# Altium PCB MB1261.PcbDoc (part 4 of 6)
Units mil, origin at the board's own origin, x right, y up, seen from the top; angles counter-clockwise.
Board outline 5119.1 x 2638.79 mil, 6 copper layers (TOP, L2_GND, L3_SIG, L4_VCC, L5_GND, BOTTOM), stack 61 mil thick; 336 components, 316 nets, 1358 pads, 871 vias.
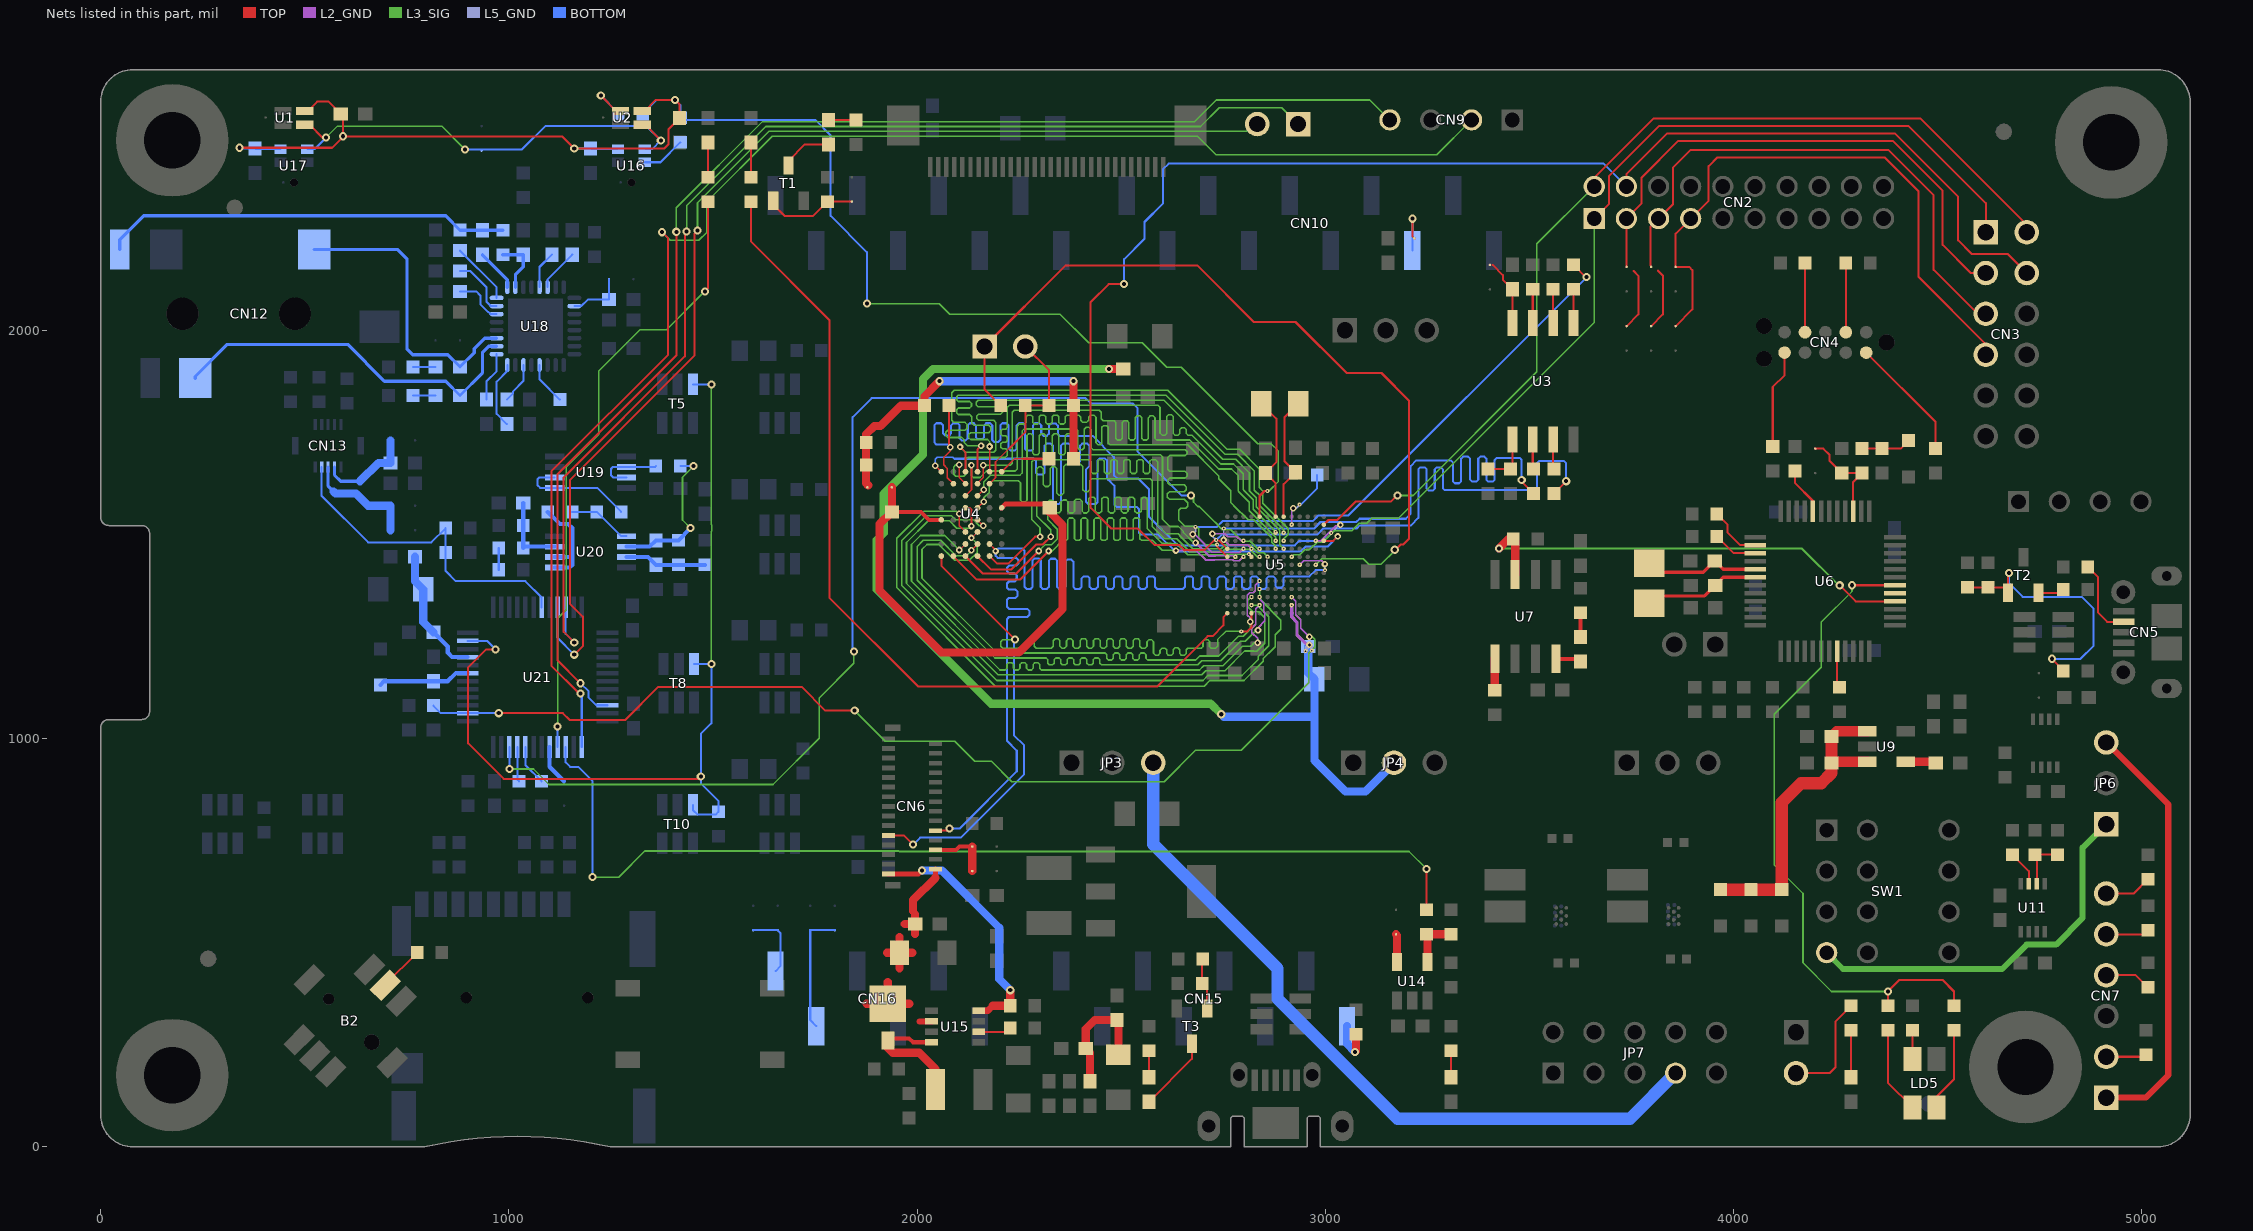
[diagram p8: the nets of this part, all layers, seen from the top]

## Via types
v1: diameter 20, hole 10, TOP to BOTTOM, tented both sides, 317 vias
v2: diameter 24, hole 12, TOP to BOTTOM, tented both sides, 289 vias
v3: diameter 10, hole 4, TOP to L2_GND, tented both sides, 76 vias
v4: diameter 10, hole 4, TOP to L3_SIG, tented both sides, 63 vias
v5: diameter 16, hole 8, L2_GND to L5_GND, tented both sides, 52 vias
v6: diameter 16, hole 8, TOP to BOTTOM, tented both sides, 43 vias
v7: diameter 10, hole 4, L5_GND to BOTTOM, tented both sides, 31 vias

## Nets (pads, with @x,y where several pads share a name; then routed paths per layer and width w, separated by ;. In a path a pad name is that pad's centre, name@x,y a point inside that pad or via, vN(x,y) a via of type N, cw(c..) or ccw(c..) an arc to the next point about the centre after c; other vN are vias at no path point) (continued)
LCD_WE: CN6.20 U4.G5 U5.D7 | length 3052.1
  TOP w4: U4.G5@2177.39,1476.18 2191.55,1462.02 2191.55,1459.25 v6(2192.05,1458.75)
  TOP w5: CN6.20@2044.44,774.27 2074.5,774.27 v1(2079.5,779.27)
  L2_GND w3.5: v3(2937.16,1425) 2947.1,1434.94 2991.06,1434.94 v5(2999,1427)
  L5_GND w3.5: v7(2999,1412) v5(2999,1427)
  BOTTOM w5: v1(2079.5,779.27) 2104.27,779.27 2244,919 2244,970 2220,994 2220,1292.32 2225,1297.32 2270,1297.32 2275,1302.32 2275,1312.32 2270,1317.32 2225,1317.32 2220,1322.32 2220,1339.32 2225,1344.32 2241,1344.32 2246,1349.32 2246,1359.32 2241,1364.32 2225,1364.32 2220,1369.32 2220,1379.32 2225,1384.32 2239,1384.32 2244,1389.32 2244,1399.32 2239,1404.32 2225,1404.32 2220,1409.32 2220,1418 2225,1423 2243,1423 2248,1428 2248,1437 2243,1442 2197.05,1442 2192.05,1447 v6(2192.05,1458.75) 2198.3,1465 2258,1465 2263,1460 2263,1371 2268,1366 2277.75,1366 2282.75,1371 2282.75,1436 2287.75,1441 2297.75,1441 2302.75,1436 2302.75,1371 2307.75,1366 2317.75,1366 2322.75,1371 2322.75,1435 2327.75,1440 2337.75,1440 2342.75,1435 2342.75,1371 2347.75,1366 2357.75,1366 2362.75,1371 2362.75,1433 2367.75,1438 2377.75,1438 2382.75,1433 2382.75,1371 2387.75,1366 2397.75,1366 2402.75,1371 2402.75,1392 2407.75,1397 2417.75,1397 2422.75,1392 2422.75,1371 2427.75,1366 2437.75,1366 2442.75,1371 2442.75,1392 2447.75,1397 2457.75,1397 2462.75,1392 2462.75,1371 2467.75,1366 2477.75,1366 2482.75,1371 2482.75,1392 2487.75,1397 2497.75,1397 2502.75,1392 2502.75,1371 2507.75,1366 2517.75,1366 2522.75,1371 2522.75,1392 2527.75,1397 2537.75,1397 2542.75,1392 2542.75,1371 2547.75,1366 2557.75,1366 2562.75,1371 2562.75,1392 2567.75,1397 2577.75,1397 2582.75,1392 2582.75,1371 2587.75,1366 2651.06,1366 2656.06,1371 2656.06,1392 2661.06,1397 2671.06,1397 2676.06,1392 2676.06,1371 2681.06,1366 2691.06,1366 2696.06,1371 2696.06,1392 2701.06,1397 2711.06,1397 2716.06,1392 2716.06,1371 2721.06,1366 2731.06,1366 2736.06,1371 2736.06,1392 2741.06,1397 2751.06,1397 2756.06,1392 2756.06,1371 2761.06,1366 2771.06,1366 2776.06,1371 2776.06,1392 2781.06,1397 2791.06,1397 2796.06,1392 2796.06,1371 2801.06,1366 2811.06,1366 2816.06,1371 2816.06,1392 2821.06,1397 2831.06,1397 2836.06,1392 2836.06,1371 2841.06,1366 2851.06,1366 2856.06,1371 2856.06,1392 2861.06,1397 2872.34,1397 2877.34,1392 2877.34,1374 2882.34,1369 2892.34,1369 2897.34,1374 2897.34,1392 2902.34,1397 2961,1397 2976,1412 v7(2999,1412)
LED1: R2.1 U5.N13 | length 2201.1
  TOP w5: R2.1@1593.1,2315 1593.1,2216.9 1785,2025 1785,1345 2003,1127 2588.22,1127 2711.72,1250.5 2723.72,1250.5 2750,1276.78 2750,1296.9 U5.N13@2759.99,1306.89
LED_STLINK: R69.1 R71.1 U6.30 | length 1630.4
  TOP w5: v1(4290,1375.16) U6.30@4395.36,1375.16 ; R69.1@4378.1,345 v1(4378.1,380) 4406.1,408 4512,408 4540,380 R71.1@4540,345
  L3_SIG w4: v1(4290,1375.16) 4290,1360 4215,1285 4215,1174 4100,1059 4100,690 4170,620 4170,450 4240,380 v1(4378.1,380)
LEDA: C47.1 C48.1 CN6.28 U15.6 Z1.2 | length 523.8
  TOP w12: 2044.44,658.44 CN6.28@2044.44,679.79
  TOP w15: 2006.3,306.8 U15.6@2035.03,306.8
  TOP w20: 1875.58,350 Z1.2@1928.1,350 ; 1925.98,475 C48.1@1957,475 ; 1928.1,403.02 Z1.2@1928.1,350 ; 1957,436.98 C48.1@1957,475 ; 1957,513.02 C48.1@1957,475 ; 1969.48,545 C47.1@1995,545 ; 1980.62,350 Z1.2@1928.1,350 ; 1988.02,475 C48.1@1957,475 ; 1990,577 1990,604 2044.44,658.44 ; 1995,520.98 C47.1@1995,545 ; 1995,569.02 C47.1@1995,545
LEDK: CN6.29 R67.1 U15.4 | length 616.4
  TOP w12: CN6.29@1930.26,667.98 2003.98,667.98 v1(2012,676)
  TOP w16: U15.4@2151.17,332.39 2172.39,332.39 2185,345
  TOP w20: 2185,345 R67.1@2228.1,345 v1(2228.1,383.1)
  BOTTOM w20: v1(2012,676) 2061,676 2201,536 2201,410.2 v1(2228.1,383.1)
MCO: U6.29
MFX_AGPIO1: R116.1 T5.3 T8.3 T10.3 U21.11 | length 2204.1
  TOP w5: v1(967,1218) 944,1218 900,1174 900,988 987,901 1464,901 v1(1470,907)
  L3_SIG w4: v1(1496,1182.24) 1496,1507.45 1497,1508.45 1497,1522.55 1496,1523.55 v1(1496,1867.24)
  BOTTOM w5: U21.11@898.74,1238.58 946.42,1238.58 v1(967,1218) ; T10.3@1450.5,837.24 1450.5,824.5 1462,813 1506.1,813 R116.1@1513.1,820 1513.1,846.9 1470,890 v1(1470,907) 1470,1011 1496,1037 v1(1496,1182.24) T8.3@1453.6,1182.24 ; T5.3@1450.5,1867.24 v1(1496,1867.24)
MFX_IRQ_OUT: U5.J5 U21.46 | length 2936
  L3_SIG w3.5: 2730,1529 2748,1511 2768,1511 2796,1483 2815.97,1483 2832.16,1466.81 ; 2832.19,1466.81 2834.63,1464.37 v4(2838.73,1464.37)
  L3_SIG w4: v1(1001.1,925) 1060,925 1098,887 1647,887 1760,1000 1760,1099 1845,1184 v1(1845,1213) ; v1(2670.71,1595.11) 2672,1595.11 2677,1590.11 2677,1578.95 2686.95,1569 ; 2687,1569 2688,1568 2691,1568 2730,1529
  BOTTOM w5: v1(1001.1,925) U21.46@1001.1,978.74 ; v1(1845,1213) 1841.88,1216.12 1841.88,1786.88 1888.34,1833.34 2412.29,1833.34 2425,1820.63 2527.63,1820.63 2540.01,1808.25 2540.01,1702.43 2647.33,1595.11 v1(2670.71,1595.11)
MFX_SWCLK: CN9.2 U21.37 | length 3613.2
  TOP w5: v1(1175,1110) 1172,1110 1104,1178 1104,1654 1390,1940 1390,2225 v1(1375,2240)
  L3_SIG w4: v1(1375,2240) 1395,2220 1465,2220 1485,2240 1485,2315 1645,2475 2687,2475 2732,2430 3273.1,2430 CN9.2@3358.1,2515
  BOTTOM w5: v1(1175,1110) 1178.27,1106.73 U21.37@1178.27,978.74
MFX_SWDIO: CN9.4 U21.34 | length 3283.9
  TOP w5: v1(1175,1135) 1119,1191 1119,1647 1410,1938 v1(1410,2241)
  L3_SIG w4: v1(1410,2241) 1410,2300 1621,2511 2680,2511 2733,2564 3109.1,2564 CN9.4@3158.1,2515
  BOTTOM w5: v1(1175,1135) 1195,1115 1195,1100 1213.9,1081.1 U21.34@1241.26,1081.1
MFX_WAKEUP: R109.2 U5.E11 U21.2 | length 2632.4
  TOP w5: v1(975,1061.73) 1132.05,1061.73 1148.78,1045 1285,1045 1366,1126 1717,1126 1775,1068 v1(1847,1068)
  L2_GND w3.5: v3(2917.47,1346.26) 2927.22,1336.51 2927.22,1302.78 2940,1290 2940,1270 v5(2961,1249)
  L3_SIG w3.5: 2959.5,1208.5 2973.75,1222.75 2973.75,1242.94 2967.69,1249 v5(2961,1249)
  L3_SIG w4: v1(1847,1068) 1922,993 2092,993 2141,944 2182,944 2232,894 2605,894 2682,971 2794,971 2959.5,1136.5 2959.5,1208.5
  BOTTOM w5: R109.2@815,1080 833.27,1061.73 U21.2@898.43,1061.73 ; U21.2@898.74,1061.42 U21.2@898.43,1061.73 ; v1(975,1061.73) U21.2@898.43,1061.73
MIC_VDD: C1.1 C2.1 C62.1 C63.1 R78.2 R79.2 U1.1 U2.1 U5.J1 U16.5 U17.5 | length 3993.8
  TOP w5: v1(340,2446.9) 566.9,2446.9 593.1,2473.1 v1(593.1,2475) ; U1.1@499.67,2536.73 506.73,2536.73 530,2560 558.1,2560 C1.1@588.1,2530 593.1,2525 v1(593.1,2475) ; U2.1@1326.36,2536.73 1332.73,2536.73 1360,2564 v1(1407,2564) 1418.1,2552.9 C2.1@1418.1,2520 1391,2492.9 1391,2456 1380,2445 v1(1160,2445) 1130,2475 v1(593.1,2475) ; U5.J1@2838.73,1543.11 2838.73,1593.73 2851,1606 v4(2857.99,1606)
  L3_SIG w3.5: v4(2857.99,1606) 2861.81,1606 v4@2862.71,1606.9
  L3_SIG w4: v1(1877,2065) 2054.06,2065 2080.06,2039 2350.08,2039 2420.08,1969 2551.2,1969 2611.2,1909 2647,1909 2834.01,1721.99 2853.91,1721.99 2866.86,1722 2885,1703.86 2885,1629.19 v4@2862.71,1606.9
  BOTTOM w5: v1(340,2446.9) 341.9,2445 C63.1@378.1,2445 379.4,2443.7 U17.5@440.13,2443.7 ; v1(1160,2445) C62.1@1200,2445 1201.3,2443.7 U16.5@1266.82,2443.7 ; R78.2@1328.1,2530 1362.1,2564 v1(1407,2564) 1420,2551 R79.2@1420,2520 1425,2515 1750,2515 1788,2477 1788,2280 1877,2191 v1(1877,2065)
NETB2_5: B2.5 R60.2 | length 112.3
  TOP w5: B2.5@697.33,394.85 697.33,397.33 R60.2@775,475
NETC4_1: C4.1 SB3.2 U3.8 | length 162.2
  TOP w5: 3410,2160 3435,2135 3435,2123.1 C4.1@3458.1,2100 U3.8@3458.1,2017.72
NETC9_2: C9.2 U5.F1 X1.1 | length 314.1
  TOP w5: U5.F1@2897.79,1543.11 2897.79,1622.69 C9.2@2927.1,1652 2900,1679.1 2900,1786.62 X1.1@2933.38,1820
NETC11_2: C11.2 U5.G1 X1.2 | length 313.9
  TOP w5: X1.2@2842.82,1820 2843,1820 2880,1783 2880,1676.9 C11.2@2853.1,1650 2878.1,1625 U5.G1@2878.1,1543.11
NETC15_1: C15.1 C16.1 SB12.1 U4.D6 U4.E1 | length 1336.5
  TOP w10: C16.1@1938.1,1555 2009,1555 2028.76,1535.24 U4.E1@2059.28,1535.24
  TOP w12: U4.D6@2206.92,1564.76 2216.16,1574 2316,1574 C15.1@2325,1565
  TOP w20: SB12.1@1938.1,1615 C16.1@1938.1,1555 1908.1,1525 1908.1,1361.9 2060,1210 2249,1210 2356,1317 2356,1523 2325,1554 C15.1@2325,1565
NETC33_1: C33.1 C35.1 D2.2 D3.2 D4.2 U9.1 U9.3 | length 787.5
  TOP w25: C35.1@4240,940 4242.6,942.6 U9.3@4327.76,942.6 ; C33.1@4240,1005 4252.4,1017.4 U9.1@4327.76,1017.4
  TOP w30: D2.2@3967.84,629.29 D3.2@4043.1,629.29 D4.2@4118.1,629.29 4118.1,843.1 4165,890 4215,890 4240,915 C35.1@4240,940 C33.1@4240,1005
NETC36_1: C36.1 U9.4 | length 73.8
  TOP w20: U9.4@4422.24,942.6 4492.4,942.6 C36.1@4495,940
NETC55_1: C55.1 C59.1 L5.2 L6.1 | length 306.3
  TOP w20: C59.1@2423.1,160 2423.1,230 L6.1@2413.1,240 2413.1,288.1 2435,310 L5.2@2490,310 2493.1,310 C55.1@2493.1,225
NETC64_1: C64.1 U18.22 | length 104.8
  BOTTOM w5: U18.22@1094.53,2105.28 1094.53,2124.53 C64.1@1155,2185
NETC65_1: C65.1 U18.21 | length 92.2
  BOTTOM w5: U18.21@1074.84,2105.28 1074.84,2154.84 C65.1@1105,2185
NETC66_2: C66.2 R82.2 U18.18 | length 137.7
  BOTTOM w8: R82.2@985,2185 C66.2@1035,2185 1035,2155 1015.79,2135.79 U18.18@1015.79,2105.28
NETC67_1: C67.1 CN12.2 R81.1 R82.1 | length 1001.3
  BOTTOM w8: CN12.2@46.46,2197.48 46.46,2221.46 105,2280 845,2280 R81.1@880,2245 C67.1@935,2245 R82.1@985,2245
NETC67_2: C67.2 U18.17 | length 105
  BOTTOM w8: C67.2@935,2185 996.1,2123.9 U18.17@996.1,2105.28
NETC68_2: C68.2 U18.16 | length 153.3
  BOTTOM w5: C68.2@880,2195 969.72,2105.28 U18.16@969.72,2078.9
NETC69_2: C69.2 U18.15 | length 145.8
  BOTTOM w5: C69.2@880,2145 905,2145 945,2105 945,2070 955.79,2059.21 U18.15@969.72,2059.21
NETC70_2: C70.2 U18.14 | length 125.1
  BOTTOM w5: C70.2@880,2095 920,2095 930,2085 930,2063.78 949.57,2044.21 950,2044.21 954.68,2039.53 U18.14@969.72,2039.53
NETC71_2: C71.2 SB18.2 U18.26 | length 141.3
  BOTTOM w5: U18.26@1160.28,2059.21 1177.33,2059.21 1193.12,2075 C71.2@1245,2075 SB18.2@1245,2125
NETC75_1: C75.1 CN12.6 U18.11 | length 730.5
  BOTTOM w8: CN12.6@522.83,2197.48 727.52,2197.48 750,2175 750,1954 764,1940 850,1940 C75.1@880,1910 915,1945 915,1955 940.47,1980.47 U18.11@969.72,1980.47
NETC75_2: C75.2 R86.1 | length 55
  BOTTOM w5: R86.1@765,1910 C75.2@820,1910
NETC76_1: C76.1 CN12.4 U18.10 | length 905.8
  BOTTOM w8: CN12.4@231.5,1882.52 231.5,1886.5 310,1965 605,1965 695,1875 845,1875 C76.1@880,1840 935,1895 935,1945 950.79,1960.79 U18.10@969.72,1960.79
NETC76_2: C76.2 R90.1 | length 55
  BOTTOM w5: R90.1@765,1840 C76.2@820,1840
NETC78_1: C78.1 U18.8 | length 165.9
  BOTTOM w5: C78.1@995,1770 970,1795 970,1873.78 996.1,1899.88 U18.8@996.1,1914.72
NETC78_2: C78.2 U18.6 | length 101.5
  BOTTOM w5: C78.2@995,1830 1010,1845 1010,1850 1035.47,1875.47 U18.6@1035.47,1914.72
NETC79_2: C79.2 U18.9 | length 121.3
  BOTTOM w5: C79.2@945,1830 945,1875 969.72,1899.72 U18.9@969.72,1941.1
NETC80_1: C80.1 CN13.9 SB20.2 | length 236.5
  BOTTOM w8: CN13.9@572.63,1664.25 572.63,1645 587.63,1630 635,1630
  BOTTOM w20: 635,1630 680,1675 C80.1@710,1675 SB20.2@710,1730
NETC85_2: C85.2 R98.1 R101.2 U20.3 | length 188.2
  BOTTOM w10: C85.2@1035,1576.9 R98.1@1035,1521.9 R101.2@1035,1466.9 1037.8,1469.7 U20.3@1112.01,1469.7
NETC88_1: C88.1 R92.1 R103.1 U20.6 | length 379
  L3_SIG w4: v1(1445,1515) 1425,1535 1425,1640 v1(1451.9,1666.9)
  BOTTOM w5: R92.1@1420,1666.9 v1(1451.9,1666.9)
  BOTTOM w10: U20.6@1287.99,1469.7 1344.7,1469.7 C88.1@1360,1485 R103.1@1415,1485 v1(1445,1515)
NETC88_2: C88.2 R102.2 R103.2 U20.7 | length 199.9
  BOTTOM w10: U20.7@1287.99,1444.1 1340.9,1444.1 C88.2@1360,1425 R103.2@1415,1425 R102.2@1480,1425
NETC91_1: C91.1 C94.1 L8.2 U21.9 | length 321.3
  BOTTOM w10: C94.1@815,1260 850,1225 850,1210 860.79,1199.21 U21.9@898.74,1199.21
  BOTTOM w20: L8.2@770,1445 770,1385 C91.1@790,1365 790,1285 C94.1@815,1260
NETC95_1: C95.1 C100.1 JP4.2 L1.1 U5.E12 | length 2960
  TOP w20: v1(2470,1905) L1.1@2505,1905
  L2_GND w8: v3(2917.47,1326.57) 2917.47,1297.53 2930.25,1284.75 2930.25,1253.75 2955,1229 v5(2961,1229)
  L3_SIG w20: v1(2470,1905) 2039,1905 2014,1880 2014,1695 1918,1599 1918,1503 1901,1486 1901,1365 2181,1085 2719,1085 v1(2745,1059)
  L5_GND w10: v7(2951.26,1213.85) 2954,1216.59 2954,1222 v5(2961,1229) 2967,1223 v7(2967,1215)
  BOTTOM w20: v1(2745,1059) 2751,1053 2973.1,1053 ; C95.1@2958.1,1225 2958.1,1160 C100.1@2973.1,1145 2973.1,1053 ; JP4.2@3168.1,940 3098.1,870 3049,870 2973.1,945.9 2973.1,1053
NETC99_2: C99.2 D6.1 U21.7 | length 225.8
  BOTTOM w10: D6.1@685,1130.71 694.29,1140 C99.2@815,1140 850,1140 869.84,1159.84 U21.7@898.74,1159.84
NETCN4_2: CN4.2 R5.1 | length 170
  TOP w5: CN4.2@4275,1995 R5.1@4275,2165
NETCN4_4: CN4.4 R4.1 | length 170
  TOP w5: CN4.4@4175,1995 R4.1@4175,2165
NETCN4_6: CN4.6 R16.1 | length 242
  TOP w5: R16.1@4096,1715 4096,1861 4125,1890 CN4.6@4125,1945
NETCN4_10: CN4.10 R25.1 | length 305.4
  TOP w5: CN4.10@4325,1945 4495,1775 R25.1@4495,1710
NETCN5_4: CN5.4 R33.2 | length 194.3
  TOP w5: R33.2@4868.1,1420 4893,1395.1 4893,1308 4915.41,1285.59 CN5.4@4955.7,1285.59
NETCN6_24: CN6.24 SB14.2 SB15.2 | length 153.9
  TOP w10: CN6.24@2044.44,727.03 2095.4,727.03 2103.37,735 SB14.2@2135,735
  TOP w20: SB15.2@2135,675 SB14.2@2135,735
NETCN7_1: CN7.1 JP6.3 | length 1052.6
  TOP w15: CN7.1@4913.1,120 5010,120 5065,175 5065,838.1 JP6.3@4913.1,990
NETCN7_2: CN7.2 R66.1 | length 99
  TOP w5: CN7.2@4913.1,220 5005,220 R66.1@5010,225
NETCN7_4: CN7.4 R63.1 | length 114.3
  TOP w5: CN7.4@4913.1,420 4985,420 R63.1@5015,390
NETCN7_5: CN7.5 R59.1 | length 106
  TOP w5: CN7.5@4913.1,520 5005,520 R59.1@5015,530
NETCN7_6: CN7.6 R56.1 | length 116.4
  TOP w5: CN7.6@4913.1,620 4980,620 R56.1@5015,655
NETCN10_8: CN10.8 SB2.1 | length 128.3
  TOP w5: v1(3213.1,2273.1) 3213.1,2230 SB2.1@3218.1,2225
  BOTTOM w5: CN10.8@3213.1,2195 v1(3213.1,2273.1)
NETCN13_7: CN13.7 R99.1 R104.1 U21.19 | length 826.5
  BOTTOM w5: CN13.7@541.13,1664.25 541.13,1593.87 655,1480 810,1480 R99.1@845,1515 R104.1@845,1455 845,1410 870,1385 1040,1385 1079.84,1345.16 U21.19@1079.84,1321.26
NETCN13_8: CN13.8 SB21.1 SB22.2 | length 279.2
  BOTTOM w8: CN13.8@556.88,1664.25 556.88,1618.12 570,1605
  BOTTOM w20: 570,1605 575,1600 625,1600 655,1570 SB21.1@710,1570 SB22.2@710,1510
NETCN15_1: CN15.1 R72.2 | length 115.1
  TOP w20: v1(3073,232) 3075,234 R72.2@3075,275
  BOTTOM w20: CN15.1@3053.1,295 3053.1,251.9 v1(3073,232)
NETCN16_5: CN16.5 SB25.2 SB26.2 | length 301.2
  BOTTOM w5: CN16.5@1753.1,295 1738.1,310 SB26.2@1738.1,530 SB25.2@1798.1,530
NETCN16_6: CN16.6 SB27.2 SB28.2 | length 167.8
  BOTTOM w5: SB28.2@1598.1,530 SB27.2@1658.1,530 1665,523.1 1665,441.9 CN16.6@1653.1,430
NETD1_2: D1.2 R23.2 R24.1 | length 122.1
  TOP w5: R23.2@4315,1710 R24.1@4364.1,1710 4409.81,1710 D1.2@4429.1,1729.29
NETJP1_1: JP1.1 U21.22 | length 2914.5
  TOP w5: v1(1160,1235) 1134,1261 1134,1639 1431,1936 1431,2237.74 v1(1435.26,2242)
  L3_SIG w4: v1(1435.26,2242) 1435.26,2305.26 1629,2499 2694,2499 2740,2545 2893.1,2545 JP1.1@2933.1,2505
  BOTTOM w5: U21.22@1138.9,1321.26 1138.9,1256.1 v1(1160,1235)
NETJP1_2: JP1.2 U21.21 | length 2842.8
  TOP w5: v1(1160,1205) 1181,1226 1181,1298 1149,1330 1149,1632.79 1454,1937.79 1454,2236 v1(1462,2244)
  L3_SIG w4: v1(1462,2244) 1462,2312 1637,2487 2815.1,2487 JP1.2@2833.1,2505
  BOTTOM w5: U21.21@1119.21,1321.26 1119.21,1245.79 v1(1160,1205)
NETJP3_3: JP3.3 JP7.7 | length 1847.6
  BOTTOM w30: JP3.3@2578.1,940 2578.1,740.9 2883,436 2883,362 3177,68 3746.1,68 JP7.7@3858.1,180
NETJP6_1: JP6.1 SW1.4 | length 949.3
  L3_SIG w15: SW1.4@4228.1,475 4268.1,435 4658,435 4718,495 4790,495 4855,560 4855,731.9 JP6.1@4913.1,790
NETJP8_2: JP8.2 R68.2 | length 268.9
  TOP w5: JP8.2@4153.1,180 4235,180 4250,195 4250,306.9 R68.2@4288.1,345
NETJP9_2: JP9.2 R12.1 R14.1 U4.B5 | length 454.6
  TOP w4: U4.B5@2177.39,1623.82 2192,1638.43 2192,1677 2225,1710
  TOP w5: 2225,1710 2265,1750 R12.1@2265,1815 R14.1@2323.1,1815 2323.1,1901.9 JP9.2@2265,1960
NETL7_2: L7.2 U15.8 Z1.1 | length 319.4
  TOP w10: Z1.1@1928.1,260 1933.1,265 1980,265 1989.39,255.61 U15.8@2035.03,255.61
  TOP w20: Z1.1@1928.1,260 1928.1,241.9 1940,230 2005,230 2045.1,189.9 L7.2@2045.1,140
NETLD1_2: LD1.2 R1.2 | length 85
  TOP w5: R1.2@1488.1,2375 LD1.2@1488.1,2460
NETLD2_2: LD2.2 R2.2 | length 85
  TOP w5: R2.2@1593.1,2375 LD2.2@1593.1,2460
NETLD3_1: LD3.1 R123.2 | length 66.9
  TOP w5: LD3.1@1783.1,2515 R123.2@1850,2515
NETLD3_2: LD3.2 T1.3 | length 126.4
  TOP w5: T1.3@1685,2403.31 1685,2415 1725,2455 LD3.2@1783.1,2455
NETLD4_1: LD4.1 R36.1 | length 60
  TOP w10: LD4.1@3625,1248.1 R36.1@3625,1308.1
NETLD4_2: LD4.2 U7.8 | length 62.8
  TOP w10: U7.8@3565,1194.8 3618.3,1194.8 LD4.2@3625,1188.1
NETLD5_2: LD5.2 R71.2 | length 206.6
  TOP w5: LD5.2@4497.63,95.94 4497.63,122.63 4540,165 R71.2@4540,285
NETLD5_3: LD5.3 R69.2 | length 214.1
  TOP w5: R69.2@4378.1,285 4378.1,156.41 LD5.3@4438.57,95.94
NETLD5_4: LD5.4 R70.2 | length 71.1
  TOP w5: R70.2@4438.1,285 4438.57,284.53 LD5.4@4438.57,214.06
NETLD6_1: LD6.1 R74.2 | length 65
  TOP w5: LD6.1@2568.1,170 R74.2@2568.1,235
NETLD6_2: LD6.2 T3.3 | length 185.2
  TOP w5: LD6.2@2568.1,110 2673.1,215 T3.3@2673.1,251.69
NETLD7_1: LD7.1 R75.2 | length 65
  TOP w5: LD7.1@3308.1,170 R75.2@3308.1,235
NETLD8_1: LD8.1 R68.1 | length 115
  TOP w5: LD8.1@4288.1,170 R68.1@4288.1,285
NETR1_1: R1.1 U21.40 | length 1527.1
  TOP w5: v1(1480,2095) 1488.1,2103.1 R1.1@1488.1,2315
  L3_SIG w4: v1(1119.21,1029.21) 1119.21,1294.21 1140,1315 1140,1665 1220,1745 1220,1900 1321,2001 1386,2001 v1(1480,2095)
  BOTTOM w5: U21.40@1119.21,978.74 v1(1119.21,1029.21)
NETR6_2: R6.2 U3.7 | length 82.3
  TOP w5: U3.7@3508.1,2017.72 R6.2@3508.1,2100
NETR7_2: R7.2 U3.6 | length 82.3
  TOP w5: U3.6@3558.1,2017.72 R7.2@3558.1,2100
NETR8_2: R8.2 U3.5 | length 82.3
  TOP w5: U3.5@3608.1,2017.72 R8.2@3608.1,2100
NETR15_2: R15.2 U4.A6 | length 129.3
  TOP w4: U4.A6@2206.92,1653.35 2238.57,1685 2260,1685
  TOP w5: 2260,1685 R15.2@2323.1,1685
NETR17_1: R17.1 U6.44 | length 117.2
  TOP w5: R17.1@4150,1655 4150,1626 4194.57,1581.43 U6.44@4194.57,1556.26
NETR22_2: R22.2 R23.1 SB11.2 U6.39 | length 251.5
  TOP w5: SB11.2@4200,1710 4220,1710 4235,1695 4235,1680 R22.2@4265,1650 R23.1@4315,1650 4293,1628 U6.39@4293,1556.26
NETR26_2: R26.2 R27.1 U3.1 | length 129.4
  TOP w5: R26.2@3398.1,1660 R27.1@3453.1,1660 3458.1,1665 U3.1@3458.1,1732.28
NETR28_2: R28.2 U3.2 | length 73.1
  TOP w5: U3.2@3508.1,1732.28 3508.1,1661.9 R28.2@3510,1660
NETR29_2: R29.2 U3.3 | length 73.1
  TOP w5: U3.3@3558.1,1732.28 3558.1,1661.9 R29.2@3560,1660
NETR30_2: R30.2 U6.2 | length 136.6
  TOP w5: R30.2@3959.1,1550 3985,1524.1 3985,1505 4016.42,1473.58 U6.2@4052.84,1473.58
NETR31_2: R31.2 U6.3 | length 110.8
  TOP w5: R31.2@3959.1,1495 4000.2,1453.9 U6.3@4052.84,1453.9
NETR34_1: R34.1 R35.1 R44.2 T2.1 | length 659.9
  TOP w5: R34.1@4573.1,1370 R35.1@4623.1,1370 4659.29,1370 T2.1@4672.6,1356.69 4672.6,1402.6 v1(4675,1405) ; v1(4780,1195) 4808.1,1166.9 R44.2@4808.1,1165
  BOTTOM w5: v1(4675,1405) 4675,1380 4708.5,1346.5 4853.5,1346.5 4882,1318 4882,1227 4850,1195 v1(4780,1195)
NETR37_1: R37.1 T2.2 | length 64.1
  TOP w4.8: R37.1@4799.79,1356.69 R37.1@4808.1,1365
  TOP w5: T2.2@4747.4,1356.69 R37.1@4799.79,1356.69
NETR48_2: R48.2 U6.20 | length 91.4
  TOP w5: U6.20@4253.63,1213.74 4253.63,1131.37 R48.2@4260,1125
NETR50_2: R50.2 U7.5 | length 76.7
  TOP w20: R50.2@3415,1118.1 U7.5@3415,1194.8
NETR53_1: R53.1 U11.3 | length 87.6
  TOP w5: R53.1@4683.1,715 4723.26,674.84 U11.3@4723.26,644.06
NETR54_1: R54.1 R55.2 U11.2 | length 127.9
  TOP w5: U11.2@4742.94,644.06 4742.94,710.16 R54.1@4738.1,715 R55.2@4793.1,715

## Text inside footprints (layer, text, board x,y; h text height)
LD5: DXF_0731 "4" at 4427.51,218.7 h16 r180; DXF_0731 "3" at 4427.51,102.28 h16 r180; DXF_0731 "2" at 4486.56,102.28 h16 r180; DXF_0731 "1" at 4486.56,218.7 h16 r180; DXF_0731 "LED2_3528" at 4360.1,320 h30 r180; DXF_0731 "Sofer Lib Information" at 4639.1,-197 h25 r180; DXF_0731 "Ref PN: 3528" at 4609.1,-147 h25 r180; DXF_0731 "Creat : Yuki" at 4609.1,-107 h25 r180; DXF_0731 "Date  : 2012-08-03" at 4609.1,-67 h25 r180; DXF_0731 "Rev   : A1" at 4609.1,-27 h25 r180; DXF_0731 "Remark: D031-006A1" at 4609.1,13 h25 r180; DXF_0731 "OK" at 4440.1,155 h35 r180
LD6: DXF_0731 "Rev   : B1" at 2675.1,236 h25 r270; DXF_0731 "Date  : 2007-05-10" at 2715.1,236 h25 r270; DXF_0731 "Creat : Sofer Tech" at 2755.1,236 h25 r270; DXF_0731 "Ref PN: ***" at 2795.1,236 h25 r270; DXF_0731 "Sofer Lib Information" at 2845.1,266 h25 r270; DXF_0731 "Approved" at 2456.1,140 h35 r270; DXF_0731 "19-213SY6C_S530-E2_TR8LED" at 2358.1,140 h20 r270; DXF_0731 "d0603" at 2443.1,140 h30 r270; DXF_0731 "2" at 2561.7,110 h16 r270; DXF_0731 "1" at 2561.7,170 h16 r270
LD7: DXF_0731 "1" at 3301.7,170 h16 r270; DXF_0731 "2" at 3301.7,110 h16 r270; DXF_0731 "d0603" at 3183.1,140 h30 r270; DXF_0731 "19-213SY6C_S530-E2_TR8LED" at 3098.1,140 h20 r270; DXF_0731 "Approved" at 3196.1,140 h35 r270; DXF_0731 "Sofer Lib Information" at 3585.1,266 h25 r270; DXF_0731 "Ref PN: ***" at 3535.1,236 h25 r270; DXF_0731 "Creat : Sofer Tech" at 3495.1,236 h25 r270; DXF_0731 "Date  : 2007-05-10" at 3455.1,236 h25 r270; DXF_0731 "Rev   : B1" at 3415.1,236 h25 r270
LD8: DXF_0731 "1" at 4281.7,170 h16 r270; DXF_0731 "2" at 4281.7,110 h16 r270; DXF_0731 "d0603" at 4163.1,140 h30 r270; DXF_0731 "19-213SY6C_S530-E2_TR8LED" at 4078.1,140 h20 r270; DXF_0731 "Approved" at 4176.1,140 h35 r270; DXF_0731 "Sofer Lib Information" at 4565.1,266 h25 r270; DXF_0731 "Ref PN: ***" at 4515.1,236 h25 r270; DXF_0731 "Creat : Sofer Tech" at 4475.1,236 h25 r270; DXF_0731 "Date  : 2007-05-10" at 4435.1,236 h25 r270; DXF_0731 "Rev   : B1" at 4395.1,236 h25 r270
R1: DXF_0731 "Remark: ***" at 1426.1,2218 h25 r90; DXF_0731 "Rev   : B1" at 1386.1,2218 h25 r90; DXF_0731 "Date  : 2007-05-10" at 1346.1,2218 h25 r90; DXF_0731 "Creat : Sofer Tech" at 1306.1,2218 h25 r90; DXF_0731 "Ref PN: ***" at 1266.1,2218 h25 r90; DXF_0731 "Sofer Lib Information" at 1216.1,2188 h25 r90; DXF_0731 "RC0603JR-07510RL" at 1370.1,2345 h20 r90; DXF_0731 "Approved" at 1376.1,2345 h35 r90; DXF_0731 "R0603" at 1493.1,2345 h30 r90; DXF_0731 "2" at 1481.7,2375 h16 r90; DXF_0731 "1" at 1481.7,2315 h16 r90
R2: DXF_0731 "1" at 1586.7,2315 h16 r90; DXF_0731 "2" at 1586.7,2375 h16 r90; DXF_0731 "R0603" at 1598.1,2345 h30 r90; DXF_0731 "Approved" at 1481.1,2345 h35 r90; DXF_0731 "RC0603JR-07510RL" at 1475.1,2345 h20 r90; DXF_0731 "Sofer Lib Information" at 1321.1,2188 h25 r90; DXF_0731 "Ref PN: ***" at 1371.1,2218 h25 r90; DXF_0731 "Creat : Sofer Tech" at 1411.1,2218 h25 r90; DXF_0731 "Date  : 2007-05-10" at 1451.1,2218 h25 r90; DXF_0731 "Rev   : B1" at 1491.1,2218 h25 r90; DXF_0731 "Remark: ***" at 1531.1,2218 h25 r90
R4: DXF_0731 "1" at 4175,2158.6 h16 r180; DXF_0731 "2" at 4115,2158.6 h16 r180; DXF_0731 "R0603" at 4145,2170 h30 r180; DXF_0731 "Approved" at 4145,2053 h35 r180; DXF_0731 "RC0603JR-07510RL" at 4145,2047 h20 r180; DXF_0731 "Sofer Lib Information" at 4302,1893 h25 r180; DXF_0731 "Ref PN: ***" at 4272,1943 h25 r180; DXF_0731 "Creat : Sofer Tech" at 4272,1983 h25 r180; DXF_0731 "Date  : 2007-05-10" at 4272,2023 h25 r180; DXF_0731 "Rev   : B1" at 4272,2063 h25 r180; DXF_0731 "Remark: ***" at 4272,2103 h25 r180
R5: DXF_0731 "1" at 4275,2171.4 h16; DXF_0731 "2" at 4335,2171.4 h16; DXF_0731 "R0603" at 4305,2160 h30; DXF_0731 "Approved" at 4305,2277 h35; DXF_0731 "RC0603JR-07510RL" at 4305,2283 h20; DXF_0731 "Sofer Lib Information" at 4148,2437 h25; DXF_0731 "Ref PN: ***" at 4178,2387 h25; DXF_0731 "Creat : Sofer Tech" at 4178,2347 h25; DXF_0731 "Date  : 2007-05-10" at 4178,2307 h25; DXF_0731 "Rev   : B1" at 4178,2267 h25; DXF_0731 "Remark: ***" at 4178,2227 h25
R6: DXF_0731 "1" at 3514.5,2160 h16 r270; DXF_0731 "2" at 3514.5,2100 h16 r270; DXF_0731 "R0603" at 3503.1,2130 h30 r270; DXF_0731 "Approved" at 3620.1,2130 h35 r270; DXF_0731 "RC0603JR-07510RL" at 3626.1,2130 h20 r270; DXF_0731 "Sofer Lib Information" at 3780.1,2287 h25 r270; DXF_0731 "Ref PN: ***" at 3730.1,2257 h25 r270; DXF_0731 "Creat : Sofer Tech" at 3690.1,2257 h25 r270; DXF_0731 "Date  : 2007-05-10" at 3650.1,2257 h25 r270; DXF_0731 "Rev   : B1" at 3610.1,2257 h25 r270; DXF_0731 "Remark: ***" at 3570.1,2257 h25 r270
R7: DXF_0731 "1" at 3564.5,2160 h16 r270; DXF_0731 "2" at 3564.5,2100 h16 r270; DXF_0731 "R0603" at 3553.1,2130 h30 r270; DXF_0731 "Approved" at 3670.1,2130 h35 r270; DXF_0731 "RC0603JR-07510RL" at 3676.1,2130 h20 r270; DXF_0731 "Sofer Lib Information" at 3830.1,2287 h25 r270; DXF_0731 "Ref PN: ***" at 3780.1,2257 h25 r270; DXF_0731 "Creat : Sofer Tech" at 3740.1,2257 h25 r270; DXF_0731 "Date  : 2007-05-10" at 3700.1,2257 h25 r270; DXF_0731 "Rev   : B1" at 3660.1,2257 h25 r270; DXF_0731 "Remark: ***" at 3620.1,2257 h25 r270
R8: DXF_0731 "Remark: ***" at 3670.1,2257 h25 r270; DXF_0731 "Rev   : B1" at 3710.1,2257 h25 r270; DXF_0731 "Date  : 2007-05-10" at 3750.1,2257 h25 r270; DXF_0731 "Creat : Sofer Tech" at 3790.1,2257 h25 r270; DXF_0731 "Ref PN: ***" at 3830.1,2257 h25 r270; DXF_0731 "Sofer Lib Information" at 3880.1,2287 h25 r270; DXF_0731 "RC0603JR-07510RL" at 3726.1,2130 h20 r270; DXF_0731 "Approved" at 3720.1,2130 h35 r270; DXF_0731 "R0603" at 3603.1,2130 h30 r270; DXF_0731 "2" at 3614.5,2100 h16 r270; DXF_0731 "1" at 3614.5,2160 h16 r270
R12: DXF_0731 "Remark: ***" at 2362,1753 h25 r180; DXF_0731 "Rev   : B1" at 2362,1713 h25 r180; DXF_0731 "Date  : 2007-05-10" at 2362,1673 h25 r180; DXF_0731 "Creat : Sofer Tech" at 2362,1633 h25 r180; DXF_0731 "Ref PN: ***" at 2362,1593 h25 r180; DXF_0731 "Sofer Lib Information" at 2392,1543 h25 r180; DXF_0731 "RC0603JR-07510RL" at 2235,1697 h20 r180; DXF_0731 "Approved" at 2235,1703 h35 r180; DXF_0731 "R0603" at 2235,1820 h30 r180; DXF_0731 "2" at 2205,1808.6 h16 r180; DXF_0731 "1" at 2265,1808.6 h16 r180
R13: DXF_0731 "Remark: ***" at 2175.1,1753 h25 r180; DXF_0731 "Rev   : B1" at 2175.1,1713 h25 r180; DXF_0731 "Date  : 2007-05-10" at 2175.1,1673 h25 r180; DXF_0731 "Creat : Sofer Tech" at 2175.1,1633 h25 r180; DXF_0731 "Ref PN: ***" at 2175.1,1593 h25 r180; DXF_0731 "Sofer Lib Information" at 2205.1,1543 h25 r180; DXF_0731 "RC0603JR-07510RL" at 2048.1,1697 h20 r180; DXF_0731 "Approved" at 2048.1,1703 h35 r180; DXF_0731 "R0603" at 2048.1,1820 h30 r180; DXF_0731 "2" at 2018.1,1808.6 h16 r180; DXF_0731 "1" at 2078.1,1808.6 h16 r180
R14: DXF_0731 "Remark: ***" at 2226.1,1877 h25; DXF_0731 "Rev   : B1" at 2226.1,1917 h25; DXF_0731 "Date  : 2007-05-10" at 2226.1,1957 h25; DXF_0731 "Creat : Sofer Tech" at 2226.1,1997 h25; DXF_0731 "Ref PN: ***" at 2226.1,2037 h25; DXF_0731 "Sofer Lib Information" at 2196.1,2087 h25; DXF_0731 "RC0603JR-07510RL" at 2353.1,1933 h20; DXF_0731 "Approved" at 2353.1,1927 h35; DXF_0731 "R0603" at 2353.1,1810 h30; DXF_0731 "2" at 2383.1,1821.4 h16; DXF_0731 "1" at 2323.1,1821.4 h16
R15: DXF_0731 "1" at 2383.1,1678.6 h16 r180; DXF_0731 "2" at 2323.1,1678.6 h16 r180; DXF_0731 "R0603" at 2353.1,1690 h30 r180; DXF_0731 "Approved" at 2353.1,1573 h35 r180; DXF_0731 "RC0603JR-07510RL" at 2353.1,1567 h20 r180; DXF_0731 "Sofer Lib Information" at 2510.1,1413 h25 r180; DXF_0731 "Ref PN: ***" at 2480.1,1463 h25 r180; DXF_0731 "Creat : Sofer Tech" at 2480.1,1503 h25 r180; DXF_0731 "Date  : 2007-05-10" at 2480.1,1543 h25 r180; DXF_0731 "Rev   : B1" at 2480.1,1583 h25 r180; DXF_0731 "Remark: ***" at 2480.1,1623 h25 r180
R16: DXF_0731 "1" at 4102.4,1715 h16 r270; DXF_0731 "2" at 4102.4,1655 h16 r270; DXF_0731 "R0603" at 4091,1685 h30 r270; DXF_0731 "Approved" at 4208,1685 h35 r270; DXF_0731 "RC0603JR-07510RL" at 4214,1685 h20 r270; DXF_0731 "Sofer Lib Information" at 4368,1842 h25 r270; DXF_0731 "Ref PN: ***" at 4318,1812 h25 r270; DXF_0731 "Creat : Sofer Tech" at 4278,1812 h25 r270; DXF_0731 "Date  : 2007-05-10" at 4238,1812 h25 r270; DXF_0731 "Rev   : B1" at 4198,1812 h25 r270; DXF_0731 "Remark: ***" at 4158,1812 h25 r270
R17: DXF_0731 "1" at 4143.6,1655 h16 r90; DXF_0731 "2" at 4143.6,1715 h16 r90; DXF_0731 "R0603" at 4155,1685 h30 r90; DXF_0731 "Approved" at 4038,1685 h35 r90; DXF_0731 "RC0603JR-07510RL" at 4032,1685 h20 r90; DXF_0731 "Sofer Lib Information" at 3878,1528 h25 r90; DXF_0731 "Ref PN: ***" at 3928,1558 h25 r90; DXF_0731 "Creat : Sofer Tech" at 3968,1558 h25 r90; DXF_0731 "Date  : 2007-05-10" at 4008,1558 h25 r90; DXF_0731 "Rev   : B1" at 4048,1558 h25 r90; DXF_0731 "Remark: ***" at 4088,1558 h25 r90
R18: DXF_0731 "Remark: ***" at 2613,1553 h25 r90; DXF_0731 "Rev   : B1" at 2573,1553 h25 r90; DXF_0731 "Date  : 2007-05-10" at 2533,1553 h25 r90; DXF_0731 "Creat : Sofer Tech" at 2493,1553 h25 r90; DXF_0731 "Ref PN: ***" at 2453,1553 h25 r90; DXF_0731 "Sofer Lib Information" at 2403,1523 h25 r90; DXF_0731 "RC0603JR-07510RL" at 2557,1680 h20 r90; DXF_0731 "Approved" at 2563,1680 h35 r90; DXF_0731 "R0603" at 2680,1680 h30 r90; DXF_0731 "2" at 2668.6,1710 h16 r90; DXF_0731 "1" at 2668.6,1650 h16 r90
R20: DXF_0731 "1" at 3061.4,1710 h16 r270; DXF_0731 "2" at 3061.4,1650 h16 r270; DXF_0731 "R0603" at 3050,1680 h30 r270; DXF_0731 "Approved" at 3167,1680 h35 r270; DXF_0731 "RC0603JR-07510RL" at 3173,1680 h20 r270; DXF_0731 "Sofer Lib Information" at 3327,1837 h25 r270; DXF_0731 "Ref PN: ***" at 3277,1807 h25 r270; DXF_0731 "Creat : Sofer Tech" at 3237,1807 h25 r270; DXF_0731 "Date  : 2007-05-10" at 3197,1807 h25 r270; DXF_0731 "Rev   : B1" at 3157,1807 h25 r270; DXF_0731 "Remark: ***" at 3117,1807 h25 r270
R21: DXF_0731 "Remark: ***" at 3177,1807 h25 r270; DXF_0731 "Rev   : B1" at 3217,1807 h25 r270; DXF_0731 "Date  : 2007-05-10" at 3257,1807 h25 r270; DXF_0731 "Creat : Sofer Tech" at 3297,1807 h25 r270; DXF_0731 "Ref PN: ***" at 3337,1807 h25 r270; DXF_0731 "Sofer Lib Information" at 3387,1837 h25 r270; DXF_0731 "RC0603JR-07510RL" at 3233,1680 h20 r270; DXF_0731 "Approved" at 3227,1680 h35 r270; DXF_0731 "R0603" at 3110,1680 h30 r270; DXF_0731 "2" at 3121.4,1650 h16 r270; DXF_0731 "1" at 3121.4,1710 h16 r270
R22: DXF_0731 "Remark: ***" at 4327,1807 h25 r270; DXF_0731 "Rev   : B1" at 4367,1807 h25 r270; DXF_0731 "Date  : 2007-05-10" at 4407,1807 h25 r270; DXF_0731 "Creat : Sofer Tech" at 4447,1807 h25 r270; DXF_0731 "Ref PN: ***" at 4487,1807 h25 r270; DXF_0731 "Sofer Lib Information" at 4537,1837 h25 r270; DXF_0731 "RC0603JR-07510RL" at 4383,1680 h20 r270; DXF_0731 "Approved" at 4377,1680 h35 r270; DXF_0731 "R0603" at 4260,1680 h30 r270; DXF_0731 "2" at 4271.4,1650 h16 r270; DXF_0731 "1" at 4271.4,1710 h16 r270
R23: DXF_0731 "1" at 4308.6,1650 h16 r90; DXF_0731 "2" at 4308.6,1710 h16 r90; DXF_0731 "R0603" at 4320,1680 h30 r90; DXF_0731 "Approved" at 4203,1680 h35 r90; DXF_0731 "RC0603JR-07510RL" at 4197,1680 h20 r90; DXF_0731 "Sofer Lib Information" at 4043,1523 h25 r90; DXF_0731 "Ref PN: ***" at 4093,1553 h25 r90; DXF_0731 "Creat : Sofer Tech" at 4133,1553 h25 r90; DXF_0731 "Date  : 2007-05-10" at 4173,1553 h25 r90; DXF_0731 "Rev   : B1" at 4213,1553 h25 r90; DXF_0731 "Remark: ***" at 4253,1553 h25 r90
R24: DXF_0731 "Remark: ***" at 4426.1,1807 h25 r270; DXF_0731 "Rev   : B1" at 4466.1,1807 h25 r270; DXF_0731 "Date  : 2007-05-10" at 4506.1,1807 h25 r270; DXF_0731 "Creat : Sofer Tech" at 4546.1,1807 h25 r270; DXF_0731 "Ref PN: ***" at 4586.1,1807 h25 r270; DXF_0731 "Sofer Lib Information" at 4636.1,1837 h25 r270; DXF_0731 "RC0603JR-07510RL" at 4482.1,1680 h20 r270; DXF_0731 "Approved" at 4476.1,1680 h35 r270; DXF_0731 "R0603" at 4359.1,1680 h30 r270; DXF_0731 "2" at 4370.5,1650 h16 r270; DXF_0731 "1" at 4370.5,1710 h16 r270
R25: DXF_0731 "Remark: ***" at 4557,1807 h25 r270; DXF_0731 "Rev   : B1" at 4597,1807 h25 r270; DXF_0731 "Date  : 2007-05-10" at 4637,1807 h25 r270; DXF_0731 "Creat : Sofer Tech" at 4677,1807 h25 r270; DXF_0731 "Ref PN: ***" at 4717,1807 h25 r270; DXF_0731 "Sofer Lib Information" at 4767,1837 h25 r270; DXF_0731 "RC0603JR-07510RL" at 4613,1680 h20 r270; DXF_0731 "Approved" at 4607,1680 h35 r270; DXF_0731 "R0603" at 4490,1680 h30 r270; DXF_0731 "2" at 4501.4,1650 h16 r270; DXF_0731 "1" at 4501.4,1710 h16 r270
R26: DXF_0731 "Remark: ***" at 3336.1,1503 h25 r90; DXF_0731 "Rev   : B1" at 3296.1,1503 h25 r90; DXF_0731 "Date  : 2007-05-10" at 3256.1,1503 h25 r90; DXF_0731 "Creat : Sofer Tech" at 3216.1,1503 h25 r90; DXF_0731 "Ref PN: ***" at 3176.1,1503 h25 r90; DXF_0731 "Sofer Lib Information" at 3126.1,1473 h25 r90; DXF_0731 "RC0603JR-07510RL" at 3280.1,1630 h20 r90; DXF_0731 "Approved" at 3286.1,1630 h35 r90; DXF_0731 "R0603" at 3403.1,1630 h30 r90; DXF_0731 "2" at 3391.7,1660 h16 r90; DXF_0731 "1" at 3391.7,1600 h16 r90
R27: DXF_0731 "Remark: ***" at 3515.1,1757 h25 r270; DXF_0731 "Rev   : B1" at 3555.1,1757 h25 r270; DXF_0731 "Date  : 2007-05-10" at 3595.1,1757 h25 r270; DXF_0731 "Creat : Sofer Tech" at 3635.1,1757 h25 r270; DXF_0731 "Ref PN: ***" at 3675.1,1757 h25 r270; DXF_0731 "Sofer Lib Information" at 3725.1,1787 h25 r270; DXF_0731 "RC0603JR-07510RL" at 3571.1,1630 h20 r270; DXF_0731 "Approved" at 3565.1,1630 h35 r270; DXF_0731 "R0603" at 3448.1,1630 h30 r270; DXF_0731 "2" at 3459.5,1600 h16 r270; DXF_0731 "1" at 3459.5,1660 h16 r270
R28: DXF_0731 "1" at 3503.6,1600 h16 r90; DXF_0731 "2" at 3503.6,1660 h16 r90; DXF_0731 "R0603" at 3515,1630 h30 r90; DXF_0731 "Approved" at 3398,1630 h35 r90; DXF_0731 "RC0603JR-07510RL" at 3392,1630 h20 r90; DXF_0731 "Sofer Lib Information" at 3238,1473 h25 r90; DXF_0731 "Ref PN: ***" at 3288,1503 h25 r90; DXF_0731 "Creat : Sofer Tech" at 3328,1503 h25 r90; DXF_0731 "Date  : 2007-05-10" at 3368,1503 h25 r90; DXF_0731 "Rev   : B1" at 3408,1503 h25 r90; DXF_0731 "Remark: ***" at 3448,1503 h25 r90
R29: DXF_0731 "Remark: ***" at 3498,1503 h25 r90; DXF_0731 "Rev   : B1" at 3458,1503 h25 r90; DXF_0731 "Date  : 2007-05-10" at 3418,1503 h25 r90; DXF_0731 "Creat : Sofer Tech" at 3378,1503 h25 r90; DXF_0731 "Ref PN: ***" at 3338,1503 h25 r90; DXF_0731 "Sofer Lib Information" at 3288,1473 h25 r90; DXF_0731 "RC0603JR-07510RL" at 3442,1630 h20 r90; DXF_0731 "Approved" at 3448,1630 h35 r90; DXF_0731 "R0603" at 3565,1630 h30 r90; DXF_0731 "2" at 3553.6,1660 h16 r90; DXF_0731 "1" at 3553.6,1600 h16 r90
R30: DXF_0731 "1" at 3899.1,1556.4 h16; DXF_0731 "2" at 3959.1,1556.4 h16; DXF_0731 "R0603" at 3929.1,1545 h30; DXF_0731 "Approved" at 3929.1,1662 h35; DXF_0731 "RC0603JR-07510RL" at 3929.1,1668 h20; DXF_0731 "Sofer Lib Information" at 3772.1,1822 h25; DXF_0731 "Ref PN: ***" at 3802.1,1772 h25; DXF_0731 "Creat : Sofer Tech" at 3802.1,1732 h25; DXF_0731 "Date  : 2007-05-10" at 3802.1,1692 h25; DXF_0731 "Rev   : B1" at 3802.1,1652 h25; DXF_0731 "Remark: ***" at 3802.1,1612 h25
R31: DXF_0731 "Remark: ***" at 3802.1,1557 h25; DXF_0731 "Rev   : B1" at 3802.1,1597 h25; DXF_0731 "Date  : 2007-05-10" at 3802.1,1637 h25; DXF_0731 "Creat : Sofer Tech" at 3802.1,1677 h25; DXF_0731 "Ref PN: ***" at 3802.1,1717 h25; DXF_0731 "Sofer Lib Information" at 3772.1,1767 h25; DXF_0731 "RC0603JR-07510RL" at 3929.1,1613 h20; DXF_0731 "Approved" at 3929.1,1607 h35; DXF_0731 "R0603" at 3929.1,1490 h30; DXF_0731 "2" at 3959.1,1501.4 h16; DXF_0731 "1" at 3899.1,1501.4 h16
R32: DXF_0731 "1" at 3520,1481.7 h16 r180; DXF_0731 "2" at 3460,1481.7 h16 r180; DXF_0731 "R0603" at 3490,1493.1 h30 r180; DXF_0731 "Approved" at 3490,1376.1 h35 r180; DXF_0731 "RC0603JR-07510RL" at 3490,1370.1 h20 r180; DXF_0731 "Sofer Lib Information" at 3647,1216.1 h25 r180; DXF_0731 "Ref PN: ***" at 3617,1266.1 h25 r180; DXF_0731 "Creat : Sofer Tech" at 3617,1306.1 h25 r180; DXF_0731 "Date  : 2007-05-10" at 3617,1346.1 h25 r180; DXF_0731 "Rev   : B1" at 3617,1386.1 h25 r180; DXF_0731 "Remark: ***" at 3617,1426.1 h25 r180
R33: DXF_0731 "1" at 4808.1,1426.4 h16; DXF_0731 "2" at 4868.1,1426.4 h16; DXF_0731 "R0603" at 4838.1,1415 h30; DXF_0731 "Approved" at 4838.1,1532 h35; DXF_0731 "RC0603JR-07510RL" at 4838.1,1538 h20; DXF_0731 "Sofer Lib Information" at 4681.1,1692 h25; DXF_0731 "Ref PN: ***" at 4711.1,1642 h25; DXF_0731 "Creat : Sofer Tech" at 4711.1,1602 h25; DXF_0731 "Date  : 2007-05-10" at 4711.1,1562 h25; DXF_0731 "Rev   : B1" at 4711.1,1522 h25; DXF_0731 "Remark: ***" at 4711.1,1482 h25
R34: DXF_0731 "1" at 4566.7,1370 h16 r90; DXF_0731 "2" at 4566.7,1430 h16 r90; DXF_0731 "R0603" at 4578.1,1400 h30 r90; DXF_0731 "Approved" at 4461.1,1400 h35 r90; DXF_0731 "RC0603JR-07510RL" at 4455.1,1400 h20 r90; DXF_0731 "Sofer Lib Information" at 4301.1,1243 h25 r90; DXF_0731 "Ref PN: ***" at 4351.1,1273 h25 r90; DXF_0731 "Creat : Sofer Tech" at 4391.1,1273 h25 r90; DXF_0731 "Date  : 2007-05-10" at 4431.1,1273 h25 r90; DXF_0731 "Rev   : B1" at 4471.1,1273 h25 r90; DXF_0731 "Remark: ***" at 4511.1,1273 h25 r90
R35: DXF_0731 "1" at 4616.7,1370 h16 r90; DXF_0731 "2" at 4616.7,1430 h16 r90; DXF_0731 "R0603" at 4628.1,1400 h30 r90; DXF_0731 "Approved" at 4511.1,1400 h35 r90; DXF_0731 "RC0603JR-07510RL" at 4505.1,1400 h20 r90; DXF_0731 "Sofer Lib Information" at 4351.1,1243 h25 r90; DXF_0731 "Ref PN: ***" at 4401.1,1273 h25 r90; DXF_0731 "Creat : Sofer Tech" at 4441.1,1273 h25 r90; DXF_0731 "Date  : 2007-05-10" at 4481.1,1273 h25 r90; DXF_0731 "Rev   : B1" at 4521.1,1273 h25 r90; DXF_0731 "Remark: ***" at 4561.1,1273 h25 r90
R36: DXF_0731 "Remark: ***" at 3563,1211.1 h25 r90; DXF_0731 "Rev   : B1" at 3523,1211.1 h25 r90; DXF_0731 "Date  : 2007-05-10" at 3483,1211.1 h25 r90; DXF_0731 "Creat : Sofer Tech" at 3443,1211.1 h25 r90; DXF_0731 "Ref PN: ***" at 3403,1211.1 h25 r90; DXF_0731 "Sofer Lib Information" at 3353,1181.1 h25 r90; DXF_0731 "RC0603JR-07510RL" at 3507,1338.1 h20 r90; DXF_0731 "Approved" at 3513,1338.1 h35 r90; DXF_0731 "R0603" at 3630,1338.1 h30 r90; DXF_0731 "2" at 3618.6,1368.1 h16 r90; DXF_0731 "1" at 3618.6,1308.1 h16 r90
R37: DXF_0731 "1" at 4808.1,1371.4 h16; DXF_0731 "2" at 4868.1,1371.4 h16; DXF_0731 "R0603" at 4838.1,1360 h30; DXF_0731 "Approved" at 4838.1,1477 h35; DXF_0731 "RC0603JR-07510RL" at 4838.1,1483 h20; DXF_0731 "Sofer Lib Information" at 4681.1,1637 h25; DXF_0731 "Ref PN: ***" at 4711.1,1587 h25; DXF_0731 "Creat : Sofer Tech" at 4711.1,1547 h25; DXF_0731 "Date  : 2007-05-10" at 4711.1,1507 h25; DXF_0731 "Rev   : B1" at 4711.1,1467 h25; DXF_0731 "Remark: ***" at 4711.1,1427 h25
R41: DXF_0731 "1" at 4018.6,1065 h16 r90; DXF_0731 "2" at 4018.6,1125 h16 r90; DXF_0731 "R0603" at 4030,1095 h30 r90; DXF_0731 "Approved" at 3913,1095 h35 r90; DXF_0731 "RC0603JR-07510RL" at 3907,1095 h20 r90; DXF_0731 "Sofer Lib Information" at 3753,938 h25 r90; DXF_0731 "Ref PN: ***" at 3803,968 h25 r90; DXF_0731 "Creat : Sofer Tech" at 3843,968 h25 r90; DXF_0731 "Date  : 2007-05-10" at 3883,968 h25 r90; DXF_0731 "Rev   : B1" at 3923,968 h25 r90; DXF_0731 "Remark: ***" at 3963,968 h25 r90
R42: DXF_0731 "Remark: ***" at 2663,1063 h25 r90; DXF_0731 "Rev   : B1" at 2623,1063 h25 r90; DXF_0731 "Date  : 2007-05-10" at 2583,1063 h25 r90; DXF_0731 "Creat : Sofer Tech" at 2543,1063 h25 r90; DXF_0731 "Ref PN: ***" at 2503,1063 h25 r90; DXF_0731 "Sofer Lib Information" at 2453,1033 h25 r90; DXF_0731 "RC0603JR-07510RL" at 2607,1190 h20 r90; DXF_0731 "Approved" at 2613,1190 h35 r90; DXF_0731 "R0603" at 2730,1190 h30 r90; DXF_0731 "2" at 2718.6,1220 h16 r90; DXF_0731 "1" at 2718.6,1160 h16 r90
R43: DXF_0731 "1" at 2771.7,1160 h16 r90; DXF_0731 "2" at 2771.7,1220 h16 r90; DXF_0731 "R0603" at 2783.1,1190 h30 r90; DXF_0731 "Approved" at 2666.1,1190 h35 r90; DXF_0731 "RC0603JR-07510RL" at 2660.1,1190 h20 r90; DXF_0731 "Sofer Lib Information" at 2506.1,1033 h25 r90; DXF_0731 "Ref PN: ***" at 2556.1,1063 h25 r90; DXF_0731 "Creat : Sofer Tech" at 2596.1,1063 h25 r90; DXF_0731 "Date  : 2007-05-10" at 2636.1,1063 h25 r90; DXF_0731 "Rev   : B1" at 2676.1,1063 h25 r90; DXF_0731 "Remark: ***" at 2716.1,1063 h25 r90
R44: DXF_0731 "1" at 4868.1,1158.6 h16 r180; DXF_0731 "2" at 4808.1,1158.6 h16 r180; DXF_0731 "R0603" at 4838.1,1170 h30 r180; DXF_0731 "Approved" at 4838.1,1053 h35 r180; DXF_0731 "RC0603JR-07510RL" at 4838.1,1047 h20 r180; DXF_0731 "Sofer Lib Information" at 4995.1,893 h25 r180; DXF_0731 "Ref PN: ***" at 4965.1,943 h25 r180; DXF_0731 "Creat : Sofer Tech" at 4965.1,983 h25 r180; DXF_0731 "Date  : 2007-05-10" at 4965.1,1023 h25 r180; DXF_0731 "Rev   : B1" at 4965.1,1063 h25 r180; DXF_0731 "Remark: ***" at 4965.1,1103 h25 r180
R45: DXF_0731 "1" at 3971.4,1125 h16 r270; DXF_0731 "2" at 3971.4,1065 h16 r270; DXF_0731 "R0603" at 3960,1095 h30 r270; DXF_0731 "Approved" at 4077,1095 h35 r270; DXF_0731 "RC0603JR-07510RL" at 4083,1095 h20 r270; DXF_0731 "Sofer Lib Information" at 4237,1252 h25 r270; DXF_0731 "Ref PN: ***" at 4187,1222 h25 r270; DXF_0731 "Creat : Sofer Tech" at 4147,1222 h25 r270; DXF_0731 "Date  : 2007-05-10" at 4107,1222 h25 r270; DXF_0731 "Rev   : B1" at 4067,1222 h25 r270; DXF_0731 "Remark: ***" at 4027,1222 h25 r270
R46: DXF_0731 "1" at 4101.4,1125 h16 r270; DXF_0731 "2" at 4101.4,1065 h16 r270; DXF_0731 "R0603" at 4090,1095 h30 r270; DXF_0731 "Approved" at 4207,1095 h35 r270; DXF_0731 "RC0603JR-07510RL" at 4213,1095 h20 r270; DXF_0731 "Sofer Lib Information" at 4367,1252 h25 r270; DXF_0731 "Ref PN: ***" at 4317,1222 h25 r270; DXF_0731 "Creat : Sofer Tech" at 4277,1222 h25 r270; DXF_0731 "Date  : 2007-05-10" at 4237,1222 h25 r270; DXF_0731 "Rev   : B1" at 4197,1222 h25 r270; DXF_0731 "Remark: ***" at 4157,1222 h25 r270
R47: DXF_0731 "1" at 4163.6,1065 h16 r90; DXF_0731 "2" at 4163.6,1125 h16 r90; DXF_0731 "R0603" at 4175,1095 h30 r90; DXF_0731 "Approved" at 4058,1095 h35 r90; DXF_0731 "RC0603JR-07510RL" at 4052,1095 h20 r90; DXF_0731 "Sofer Lib Information" at 3898,938 h25 r90; DXF_0731 "Ref PN: ***" at 3948,968 h25 r90; DXF_0731 "Creat : Sofer Tech" at 3988,968 h25 r90; DXF_0731 "Date  : 2007-05-10" at 4028,968 h25 r90; DXF_0731 "Rev   : B1" at 4068,968 h25 r90; DXF_0731 "Remark: ***" at 4108,968 h25 r90
R48: DXF_0731 "Remark: ***" at 4198,968 h25 r90; DXF_0731 "Rev   : B1" at 4158,968 h25 r90; DXF_0731 "Date  : 2007-05-10" at 4118,968 h25 r90; DXF_0731 "Creat : Sofer Tech" at 4078,968 h25 r90; DXF_0731 "Ref PN: ***" at 4038,968 h25 r90; DXF_0731 "Sofer Lib Information" at 3988,938 h25 r90; DXF_0731 "RC0603JR-07510RL" at 4142,1095 h20 r90; DXF_0731 "Approved" at 4148,1095 h35 r90; DXF_0731 "R0603" at 4265,1095 h30 r90; DXF_0731 "2" at 4253.6,1125 h16 r90; DXF_0731 "1" at 4253.6,1065 h16 r90
R49: DXF_0731 "1" at 3911.4,1125 h16 r270; DXF_0731 "2" at 3911.4,1065 h16 r270; DXF_0731 "R0603" at 3900,1095 h30 r270; DXF_0731 "Approved" at 4017,1095 h35 r270; DXF_0731 "RC0603JR-07510RL" at 4023,1095 h20 r270; DXF_0731 "Sofer Lib Information" at 4177,1252 h25 r270; DXF_0731 "Ref PN: ***" at 4127,1222 h25 r270; DXF_0731 "Creat : Sofer Tech" at 4087,1222 h25 r270; DXF_0731 "Date  : 2007-05-10" at 4047,1222 h25 r270; DXF_0731 "Rev   : B1" at 4007,1222 h25 r270; DXF_0731 "Remark: ***" at 3967,1222 h25 r270
R50: DXF_0731 "Remark: ***" at 3353,961.1 h25 r90; DXF_0731 "Rev   : B1" at 3313,961.1 h25 r90; DXF_0731 "Date  : 2007-05-10" at 3273,961.1 h25 r90; DXF_0731 "Creat : Sofer Tech" at 3233,961.1 h25 r90; DXF_0731 "Ref PN: ***" at 3193,961.1 h25 r90; DXF_0731 "Sofer Lib Information" at 3143,931.1 h25 r90; DXF_0731 "RC0603JR-07510RL" at 3297,1088.1 h20 r90; DXF_0731 "Approved" at 3303,1088.1 h35 r90; DXF_0731 "R0603" at 3420,1088.1 h30 r90; DXF_0731 "2" at 3408.6,1118.1 h16 r90; DXF_0731 "1" at 3408.6,1058.1 h16 r90